# KiCad board CRMHJN_capable_carrier.kicad_pcb
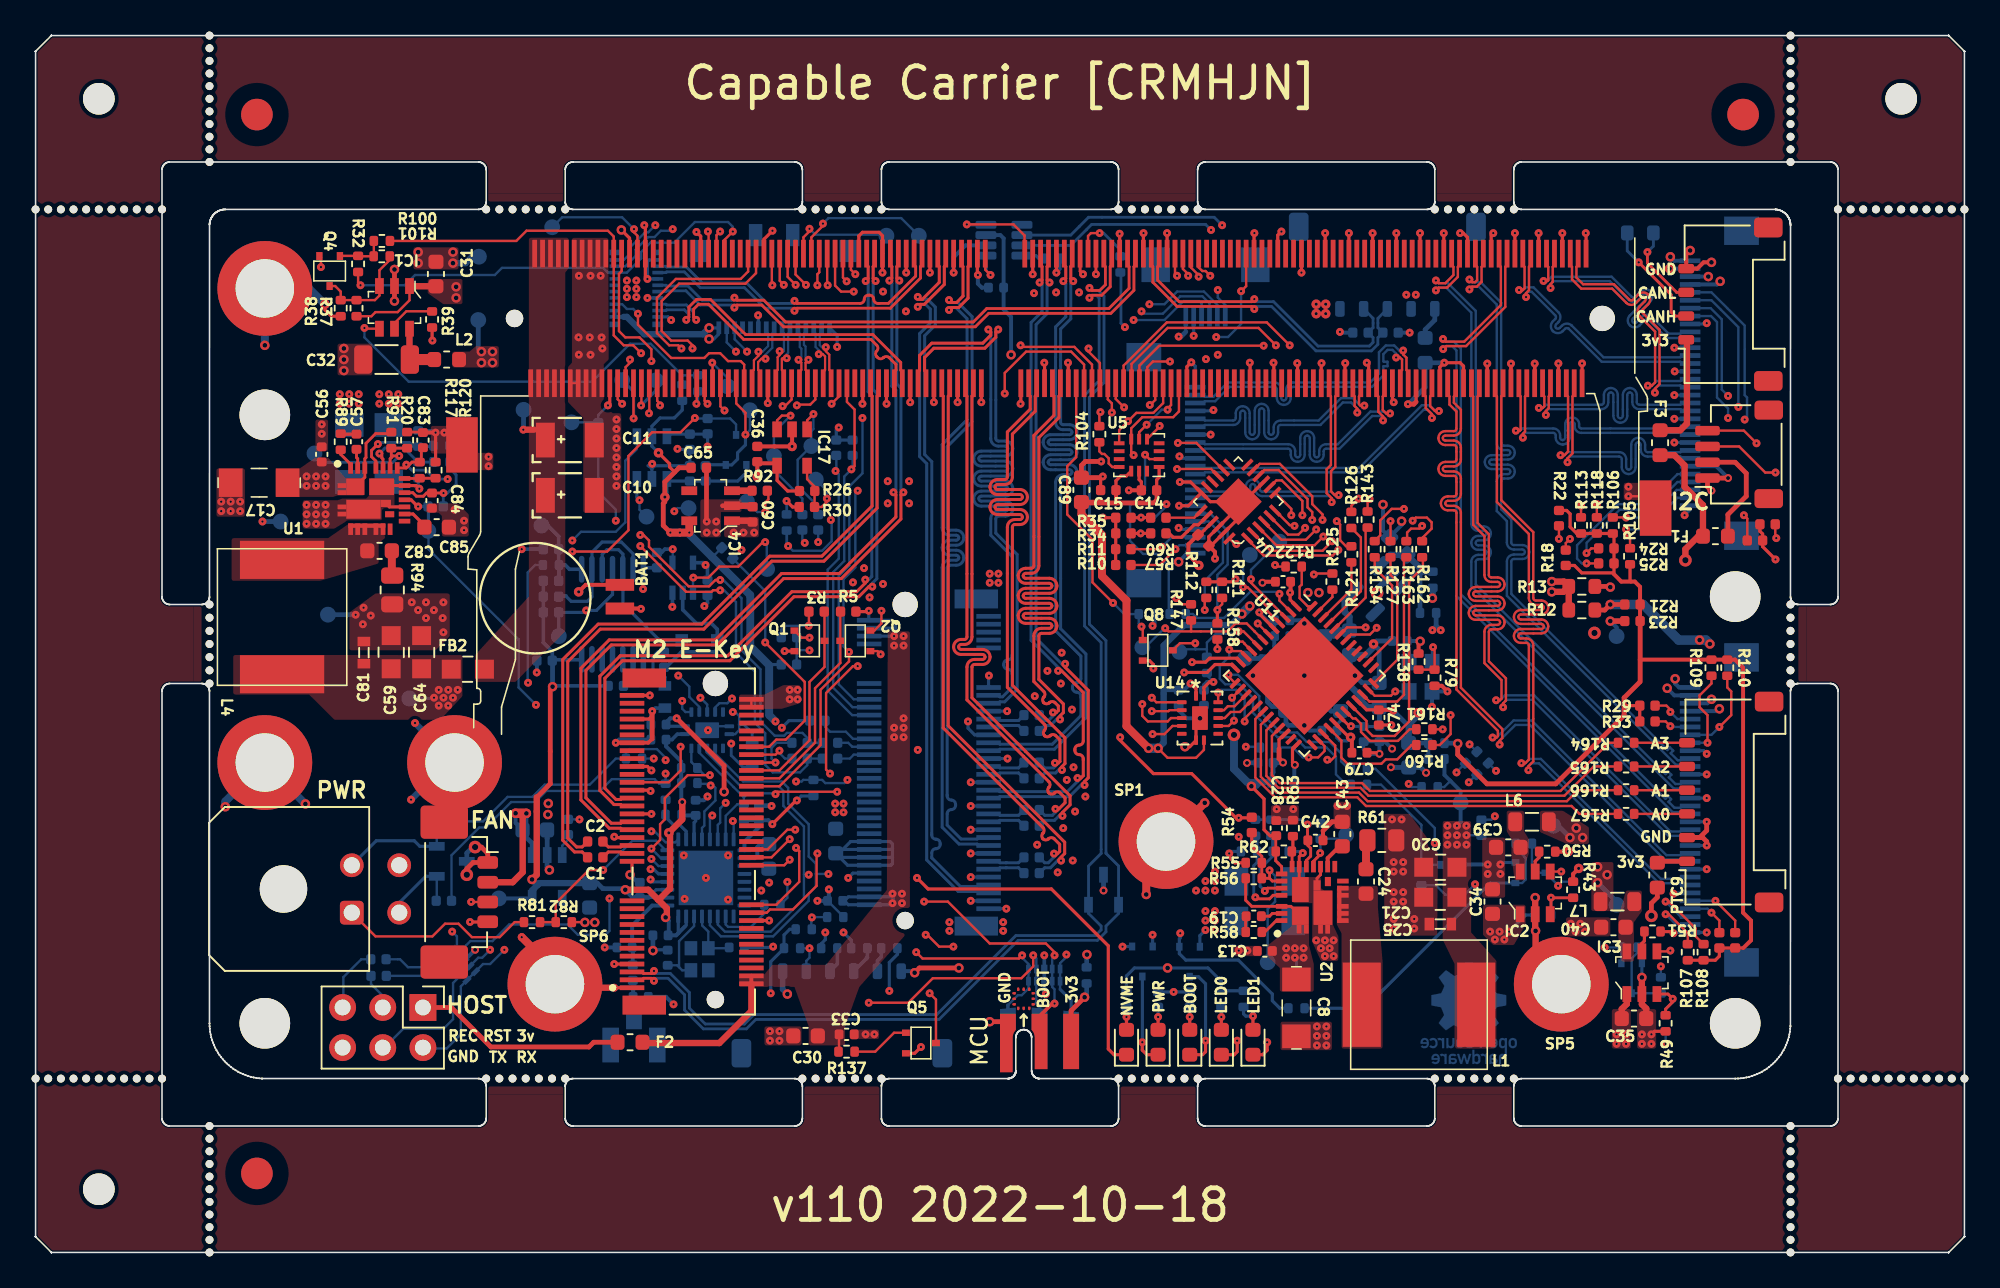
[diagram p0: board, top side]
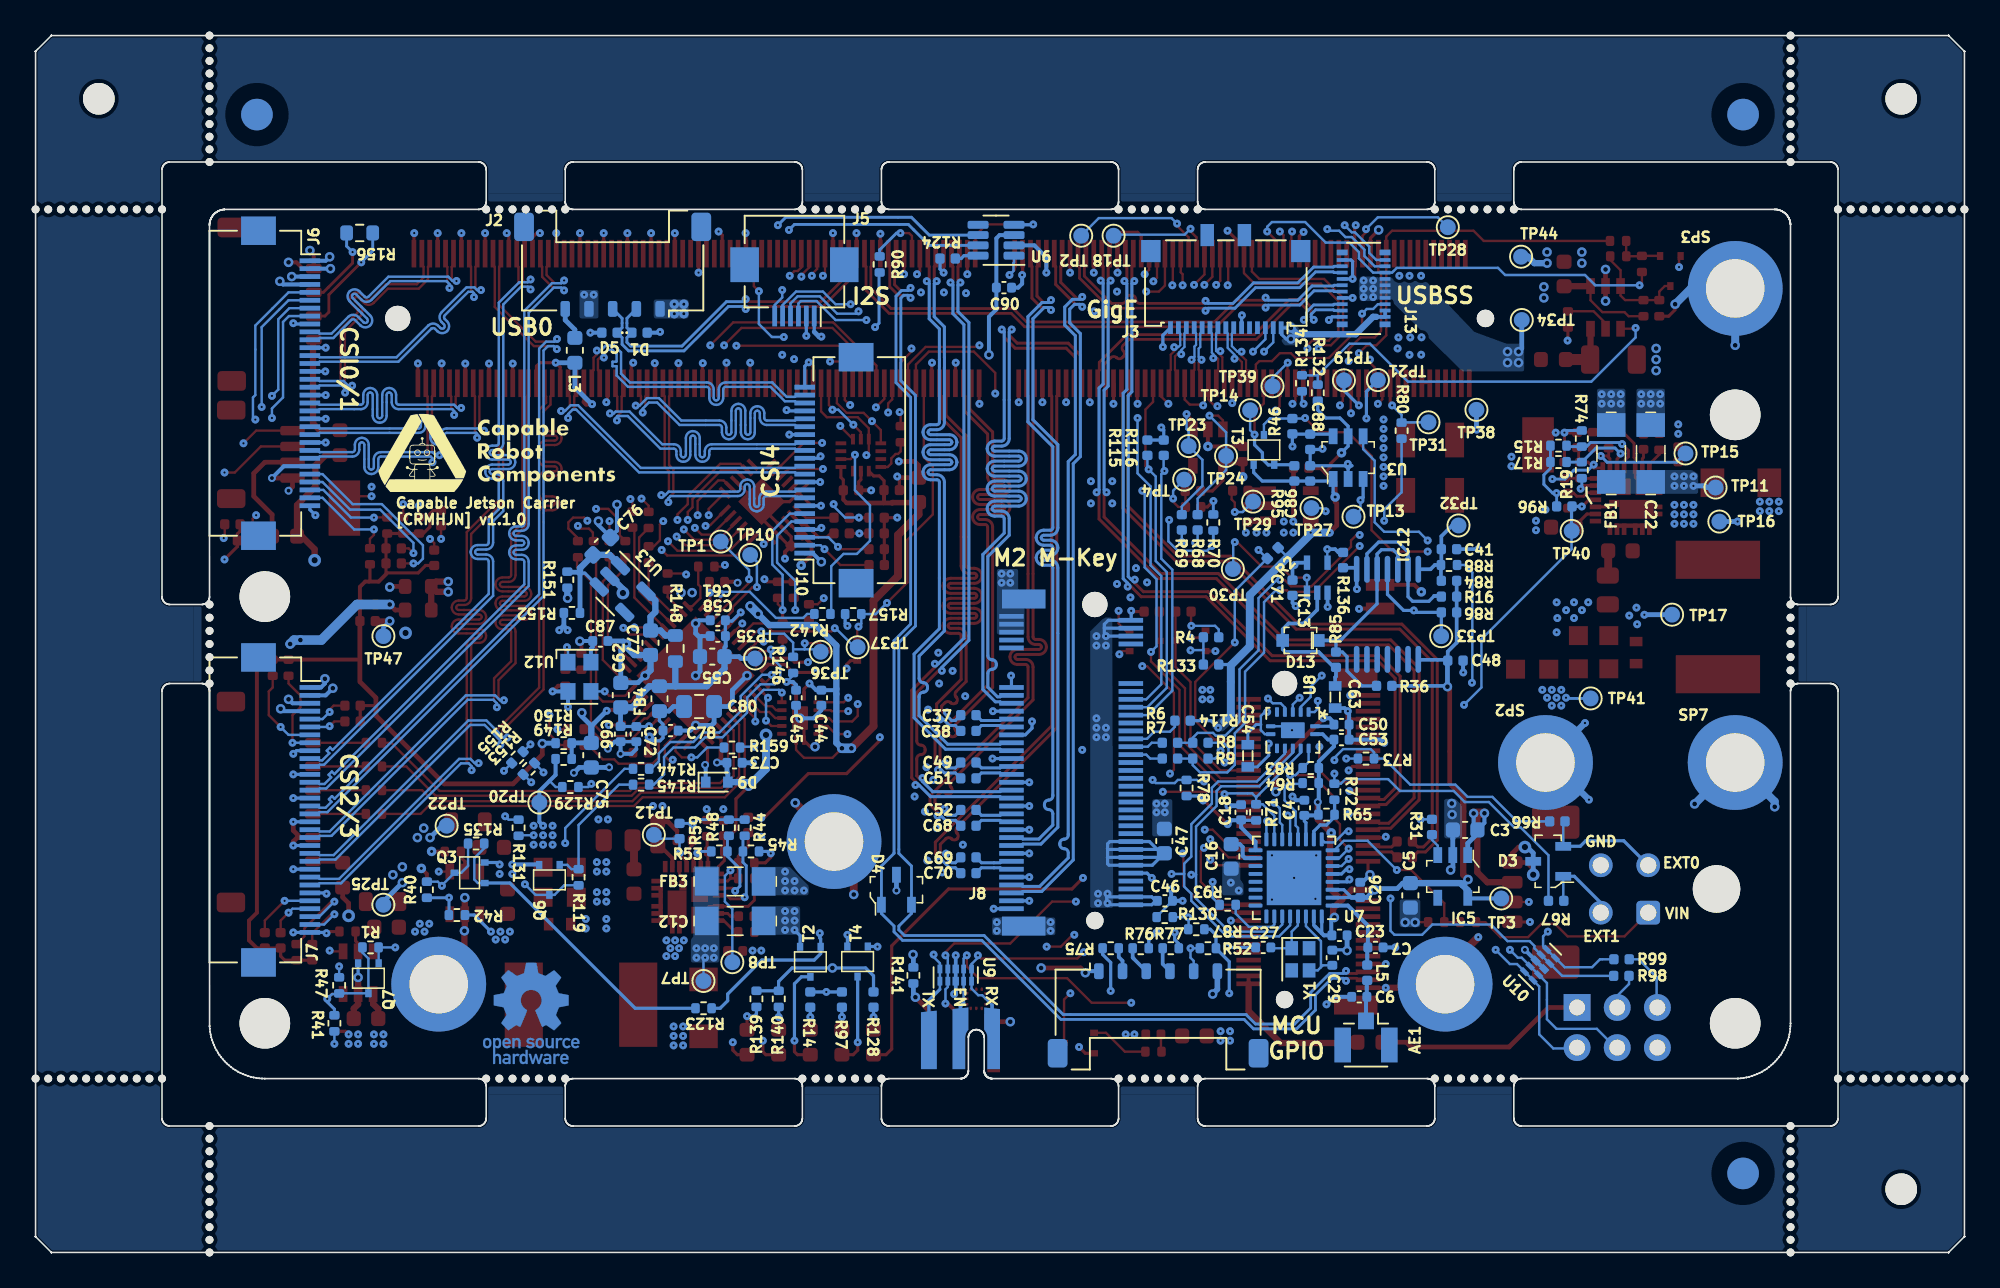
[diagram p1: board, bottom side, seen from below]

Outline 122 x 77 mm; copper layers: Top, In1.Cu, In2.Cu, In3.Cu, In4.Cu, Bottom. Coordinates in mm from the lower left corner of the outline.
Stack: Top 0.035mm / dielectric 0.127mm FR4 er 4.5 / In1.Cu 0.035mm / dielectric 0.372mm FR4 er 4.5 / In2.Cu 0.035mm / dielectric 0.372mm FR4 er 4.5 / In3.Cu 0.035mm / dielectric 0.372mm FR4 er 4.5 / In4.Cu 0.035mm / dielectric 0.127mm FR4 er 4.5 / Bottom 0.035mm

## Placement (name value [footprint] x y rotation side)
AE1  DNP  [U.FL_Hirose_U.FL-R-SMT-1_Vertical]  37.85 13.6 270 bottom
BAT1  -  [MS621FE-FL11E]  36.96 41.49 90 top
BOOT1  LED  [LED_0603_1608Metric]  73 13.3 90 top
C1  C_100n_0402  [0402-cap]  35.4 25 0 top
C2  C_100n_0402  [0402-cap]  35.4 26 0 top
C3  C_4u7_0603  [C_0603_1608Metric]  31.58 26.73 0 bottom
C4  C_100n_0402  [C_0402_1005Metric]  41.75 28.13 270 bottom
C5  C_4u7_0603  [C_0603_1608Metric]  35.04 22.59 270 bottom
C6  DNP  [C_0402_1005Metric]  38.27 16.17 0 bottom
C7  DNP  [C_0402_1005Metric]  37.25 19.3 180 bottom
C8  C_10u_1206_50V  [1206-cap]  79.75 15.47 270 top
C9  C_100n_0402  [0402-cap]  73.86 45.06 315 top
C10  C_330u_KEMET_B  [KEMET_B]  32.24 47.91 0 top
C11  C_330u_KEMET_B  [KEMET_B]  32.24 51.41 0 top
C12  C_10u_1206_50V  [1206-cap]  77.75 20.97 180 bottom
C13  C_100n_0402_50V  [C_0402_1005Metric]  77.75 19.08 180 top
C14  C_100n_0402  [0402-cap]  70.42 48.23 0 top
C15  C_100n_0402  [0402-cap]  67.85 48.23 0 top
C16  C_1u_0603  [C_0603_1608Metric]  46.38 25.06 270 bottom
C17  C_10u_1206_50V  [1206-cap]  14.14 48.71 180 top
C18  C_100n_0402  [C_0402_1005Metric]  45.75 27.85 270 bottom
C19  C_100n_0402  [C_0402_1005Metric]  77.05 21.28 180 top
C20  C_47u_0805  [0805-cap]  88.85 24.38 180 top
C21  C_47u_0805  [0805-cap]  88.85 22.47 180 top
C22  C_10u_1206_50V  [1206-cap]  19.84 50.56 90 bottom
C23  C_100n_0402  [C_0402_1005Metric]  39.53 20.06 0 bottom
C24  DNP  [C_0603_1608Metric]  84.15 23.47 270 top
C25  C_10u_0603  [0603-cap]  88.85 20.78 180 top
C26  C_100n_0402  [C_0402_1005Metric]  38.22 22.94 270 bottom
C27  C_16p_0402  [C_0402_1005Metric]  44.35 19.3 0 bottom
C28  C_100n_0402  [C_0402_1005Metric]  78.47 26.85 270 top
C29  C_16p_0402  [C_0402_1005Metric]  39.98 18.65 90 bottom
C30  C_10u_0603  [C_0603_1608Metric]  48.7 13.7 0 top
C31  C_10u_0603  [C_0603_1608Metric]  25.32 61.91 90 top
C32  C_100u_1206  [C_1206_3216Metric]  22.2 56.5 0 top
C33  C_100n_0402  [C_0402_1005Metric]  51.3 13.8 180 top
C34  C_10u_0603  [C_0603_1608Metric]  92.15 22.2 90 top
C35  C_10u_0603  [C_0603_1608Metric]  101.1 14.8 0 top
C36  C_100n_0402  [0402-cap]  45.65 50.52 270 top
C37  C_100n_0402  [0402-cap]  63 34 0 bottom
C38  C_100n_0402  [0402-cap]  63 33 0 bottom
C39  C_10u_0603  [C_0603_1608Metric]  93.15 25.63 180 top
C40  C_10u_0603  [C_0603_1608Metric]  99.8 20.58 180 top
C41  C_47n_0402  [0402-cap]  32.6 44.5 0 bottom
C42  C_1u_0402  [C_0402_1005Metric]  80.95 26.08 0 top
C43  C_4u7_0603  [C_0603_1608Metric]  82.65 26.47 90 top
C44  C_100n_0402  [C_0402_1005Metric]  72.3 35.1 90 bottom
C45  C_100n_0402  [C_0402_1005Metric]  73.9 35.1 90 bottom
C46  C_100n_0402  [C_0402_1005Metric]  50.57 22.25 0 bottom
C47  C_10u_0603  [C_0603_1608Metric]  50.61 26.03 270 bottom
C48  C_100n_0402  [0402-cap]  32.2 37.45 0 bottom
C49  C_100n_0402  [0402-cap]  63 31 0 bottom
C50  C_100n_0402  [C_0402_1005Metric]  39.4 33.4 0 bottom
C51  C_100n_0402  [0402-cap]  63 30 0 bottom
C52  C_100n_0402  [0402-cap]  63 28 0 bottom
C53  C_100n_0402  [C_0402_1005Metric]  39.4 32.45 0 bottom
C54  C_10u_0603  [0603-cap]  45.33 31.42 90 bottom
C55  C_1u_0603  [C_0603_1608Metric]  79.2 37.7 180 bottom
C56  C_100n_0402_50V  [C_0402_1005Metric]  18.1 50.5 90 top
C57  C_100n_0402  [C_0402_1005Metric]  20.3 51.3 90 top
C58  C_100n_0402  [C_0402_1005Metric]  78.85 39 180 bottom
C59  C_47u_0805  [0805-cap]  22.49 37.98 90 top
C60  C_2u2_0402  [0402-cap]  45.35 46.7 90 top
C61  C_10n_0402  [C_0402_1005Metric]  78.85 40 180 bottom
C62  C_1u_0603  [C_0603_1608Metric]  84.98 35.27 270 bottom
C63  C_10u_0603  [0603-cap]  39.8 35.14 90 bottom
C64  C_47u_0805  [0805-cap]  24.42 37.98 90 top
C65  C_1u_0402  [0402-cap]  41.95 49.65 0 top
C66  C_100n_0402  [C_0402_1005Metric]  85 32.8 90 bottom
C67  C_100n_0402  [C_0402_1005Metric]  78.9 42.44 0 top
C68  C_100n_0402  [0402-cap]  63 27 0 bottom
C69  C_100n_0402  [0402-cap]  63 25 0 bottom
C70  C_100n_0402  [0402-cap]  63 24 0 bottom
C71  C_100n_0402  [0402-cap]  42.5 42.06 90 bottom
C72  C_10n_0402  [C_0402_1005Metric]  84 32.8 90 bottom
C73  C_100n_0402  [C_0402_1005Metric]  77.79 30.98 180 bottom
C74  C_100n_0402  [C_0402_1005Metric]  84.95 33.85 90 top
C75  C_1u_0603  [C_0603_1608Metric]  86.85 31.47 90 bottom
C76  C_4u7_0603  [C_0603_1608Metric]  86.18 44.69 315 bottom
C77  C_4u7_0603  [C_0603_1608Metric]  83.1 38.58 90 bottom
C78  C_100n_0402  [C_0402_1005Metric]  81.83 33.02 0 bottom
C79  C_100n_0402  [C_0402_1005Metric]  83.73 31.62 180 top
C80  C_10u_0805  [C_0805_2012Metric]  80.03 34.55 0 bottom
C81  C_10u_0603  [0603-cap]  20.77 37.96 90 top
C82  DNP  [C_0603_1608Metric]  21.76 44.39 180 top
C83  C_100n_0402  [C_0402_1005Metric]  24.5 51.4 270 top
C84  C_1u_0402  [C_0402_1005Metric]  25.08 47.58 270 top
C85  C_4u7_0603  [C_0603_1608Metric]  25.37 45.89 0 top
C86  C_100n_0402  [0402-cap]  41.38 49.29 270 bottom
C87  C_100n_0402  [C_0402_1005Metric]  86.28 38.69 0 bottom
C88  C_100n_0402  [0402-cap]  41.38 51.29 90 bottom
C89  C_1u_0603  [C_0603_1608Metric]  66.15 48.25 270 top
C90  C_100n_0402  [C_0402_1005Metric]  60.75 61.05 0 bottom
D1  D_TVS  [D_0402_1005Metric]  83.8 58.2 180 bottom
D3  PESD2USB5UV-TR  [SOT-23s]  26.33 24.75 0 bottom
D4  PESD2USB5UV-TR  [SOT-23s]  67.55 22.95 90 bottom
D5  D_TVS  [D_0402_1005Metric]  85.7 58.2 0 bottom
D6  LED  [LED_0603_1608Metric]  75 13.3 90 top
D7  LED  [LED_0603_1608Metric]  77 13.3 90 top
D9  D_Schottky  [D_SOD-523]  78.92 29.76 180 bottom
D13  1N4148WS  [SOD-323]  41.99 38.72 0 bottom
F1  Polyfuse_Small  [Fuse_0603_1608Metric]  106.25 45.33 180 top
F2  Polyfuse_Small  [Fuse_0603_1608Metric]  37.6 13.3 0 top
F3  Polyfuse_Small  [Fuse_0603_1608Metric]  102.75 51.24 270 top
FB1  74279221100  [1206-res]  22.34 50.56 270 bottom
FB2  742792022  [0805-res]  27.34 36.91 0 top
FB3  74279221100  [1206-res]  77.75 23.47 0 bottom
FB4  600R  [L_0603_1608Metric]  82.54 35.04 270 bottom
H1  MountingHole  [MountingHole_3.2mm_M3_ISO14580]  14.5 14.5 0 top
H2  MountingHole  [MountingHole_3.2mm_M3_ISO14580]  107.5 41.5 0 top
H3  MountingHole  [MountingHole_3.2mm_M3_ISO14580]  14.5 53 0 top
H4  MountingHole  [MountingHole_3.2mm_M3_ISO14580]  107.5 14.5 0 top
IC1  AP22652W6-7  [SOT-23-6]  22.7 59.8 180 top
IC2  AP22652W6-7  [SOT-23-6]  94.85 22.75 0 top
IC3  AP22652W6-7  [SOT-23-6]  101.6 17.7 0 top
IC4  TPS7A0518PDBVT  [SOT-23-5]  42.7 47.25 90 top
IC5  3v3 LDO  [SOT-23-5]  32.36 23.79 0 bottom
IC12  74HC00PW  [TSSOP-14]  36.49 40.38 270 bottom
IC13  SN74LVC1G126DCKR  [R-PDSO-G5]  40.93 42.7 90 bottom
IC17  AT24CS01-ST  [SOT23-5]  47.85 50.93 270 top
J1  Conn_02x03_Odd_Even  [PinHeader_2x03_P2.54mm_Vertical]  24.5 15.5 270 top
J2  Conn_01x05_Female  [Molex_Pico-Lock_504050-0591_1x05-1MP_P1.50mm_Horizontal]  85.5 62.5 0 bottom
J3  Conn_01x15_Female  [Molex_502244-1530_1x15-1MP_P0.5mm_Horizontal]  46.72 61.59 0 bottom
J4  Bus_M.2_Socket_E  [TE_2199119-4]  43 26 90 top
J5  Conn_01x06_Female  [Hirose_FH12-6S-0.5SH_1x06-1MP_P0.50mm_Horizontal]  74 61.1 0 bottom
J6  Conn_01x32_Female  [Hirose_FH12-32S-0.5SH_1x32-1MP_P0.50mm_Horizontal]  106.5 55 270 bottom
J7  Conn_01x32_Female  [Hirose_FH12-32S-0.5SH_1x32-1MP_P0.50mm_Horizontal]  106.5 28 270 bottom
J8  ~  [MDT580M01001]  56.5 31 0 bottom
J9  Conn_01x04_Female  [Molex_Micro-Fit_3.0_43045-0400_2x02_P3.00mm_Horizontal]  20 21.5 90 top
J10  Conn_01x22_Female  [Hirose_FH12-22S-0.5SH_1x22-1MP_P0.50mm_Horizontal]  71.5 49.5 90 bottom
J11  Conn_01x06_Female  [Molex_Pico-Lock_504050-0691_1x06-1MP_P1.50mm_Horizontal]  51 15 180 bottom
J12  533980471  [Molex_PicoBlade_53398-0471_1x04-1MP_P1.25mm_Vertical]  27.35 22.8 270 top
J13  Conn_02x10_Odd_Even  [DF40C-20DP-0.4V51]  38 61 90 bottom
J14  Conn_01x06_Female  [Molex_Pico-Lock_504050-0691_1x06-1MP_P1.50mm_Horizontal]  107.25 28.5 90 top
J15  Conn_01x04_Female  [JST_SH_SM04B-SRSS-TB_1x04-1MP_P1.00mm_Horizontal]  107.75 50.5 90 top
J16  Conn_01x04_Female  [Molex_Pico-Lock_504050-0491_1x04-1MP_P1.50mm_Horizontal]  107.2 60 90 top
J18  DebugEdge_02x03  [DebugEdge_2x03_Target]  63.5 11 0 top
L1  IHLP3232DZER3R3M01  [IHLP3232DZ]  87.5 15.67 0 top
L2  BLM18SG121TN1D  [L_0603_1608Metric]  26 56.5 0 top
L3  BLM18SG121TN1D  [L_0603_1608Metric]  87.89 57.08 90 bottom
L4  IHLP3232DZER3R3M01  [IHLP3232DZ]  15.59 40.21 270 top
L5  DNP  [L_0402_1005Metric]  37.77 17.7 90 bottom
L6  BLM21PG121SN1D  [L_0805_2012Metric]  94.65 27.25 0 top
L7  BLM21PG121SN1D  [L_0805_2012Metric]  100.05 22.2 180 top
M1  ~  [jetson-nano-connector]  96.49 17.1 0 top
M2  ~  [jetson-nano-module]  96.48 16.97 0 top
N1  E Key 2230  [M2outline-2230]  41.5 26 0 top
N2  oshw_logo  [oshw-logo]  90.65 15.12 180 bottom
N3  crc_logo  [CRC_logo_15mm]  92.95 50.6 180 bottom
N4  M Key 2242  [M2outline-2242]  56.5 31 180 bottom
N5  M Key 2230  [M2outline-2230]  56.5 31 180 bottom
NVME1  LED  [LED_0603_1608Metric]  69 13.3 90 top
PTC9  50mA  [Fuse_0603_1608Metric]  102.58 23.88 90 top
PWR1  LED  [LED_0603_1608Metric]  71 13.3 90 top
Q1  BSS138APW  [SC70-3]  48.95 38.7 0 top
Q2  BSS138APW  [SC70-3]  51.85 38.7 180 top
Q3  BSS138APW  [SC70-3]  94.55 24.03 0 bottom
Q4  BSS138APW  [SC70-3]  18.6 62.1 270 top
Q5  BSS138APW  [SC70-3]  56 13.25 0 top
Q6  BSS138APW  [SC70-3]  89.5 23.58 270 bottom
Q7  BSS138APW  [SC70-3]  100.95 17.35 270 bottom
Q8  BSS138APW  [SC70-3]  70.98 38.1 0 top
R1  R_0R_0402  [R_0402_1005Metric]  100.81 19.31 180 bottom
R2  R_10k_0402  [0402-res]  43.75 44.25 315 bottom
R3  R_10k_0402  [0402-res]  49.4 40.55 180 top
R4  DNP  [0402-res]  47.65 38.92 0 bottom
R5  R_10k_0402  [0402-res]  51.4 40.55 0 top
R6  DNP  [0402-res]  50.25 32.25 0 bottom
R7  DNP  [0402-res]  50.25 31.25 0 bottom
R8  DNP  [0402-res]  48.33 32.25 0 bottom
R9  DNP  [0402-res]  48.33 31.25 0 bottom
R10  R_2k_0402  [0402-res]  68.8 43.5 0 top
R11  R_2k_0402  [0402-res]  68.8 44.5 0 top
R12  R_0R_0603  [R_0603_1608Metric]  97.8 40.65 0 top
R13  R_DNP_0603  [R_0603_1608Metric]  97.8 42.14 0 top
R14  R_470R_0402  [0402-res]  73 16 90 bottom
R15  DNP  [R_0402_1005Metric]  25.67 51.05 180 bottom
R16  R_1k_0402  [0402-res]  32.6 41.5 0 bottom
R17  R_100k_0402  [R_0402_1005Metric]  25.67 50.02 180 bottom
R18  R_2k_0402  [0402-res]  96.78 43.95 90 top
R19  DNP  [R_0402_1005Metric]  24.2 49.5 270 bottom
R20  DNP  [R_0402_1005Metric]  23.5 51.4 270 top
R21  R_0R_0402  [0402-res]  101 41 180 top
R22  R_2k_0402  [0402-res]  96.36 46.47 270 top
R23  DNP  [0402-res]  101 39.95 180 top
R24  R_2k_0402  [0402-res]  99.35 44.55 180 top
R25  R_2k_0402  [0402-res]  99.35 43.6 180 top
R26  R_10k_0402  [0402-res]  48.8 48.18 0 top
R27  R_2k_0402  [0402-res]  106.5 19.75 90 top
R28  R_2k_0402  [0402-res]  107.5 19.75 90 top
R29  R_2k_0402  [0402-res]  101.95 34.6 0 top
R30  DNP  [0402-res]  48.78 47.17 0 top
R31  R_10k_0402  [0402-res]  33.68 26.92 90 bottom
R32  R_0R_0402  [R_0402_1005Metric]  20.4 62.55 270 top
R33  R_2k_0402  [0402-res]  101.95 33.6 0 top
R34  R_2k_0402  [0402-res]  68.81 45.5 0 top
R35  R_2k_0402  [0402-res]  68.81 46.49 0 top
R36  R_1k_0402  [0402-res]  36.7 35.85 0 bottom
R37  R_10k_0402  [R_0402_1005Metric]  20.3 59.75 270 top
R38  DNP  [R_0402_1005Metric]  19.3 59.75 90 top
R39  R_12k4_0402  [R_0402_1005Metric]  25.08 59.03 90 top
R40  R_0R_0402  [R_0402_1005Metric]  97.25 22.95 270 bottom
R41  R_0R_0402  [R_0402_1005Metric]  103.1 14.5 90 bottom
R42  R_10k_0402  [R_0402_1005Metric]  95.35 21.35 180 bottom
R43  R_10k_0402  [R_0402_1005Metric]  97.25 22.95 270 top
R44  DNP  [R_0402_1005Metric]  77.15 26.88 270 bottom
R45  R_510k_0402  [R_0402_1005Metric]  76.75 25.38 180 bottom
R46  R_10k_0402  [0402-res]  42.51 52.28 270 bottom
R47  R_10k_0402  [R_0402_1005Metric]  102.8 16.9 90 bottom
R48  R_100k_0402  [R_0402_1005Metric]  78.15 26.88 270 bottom
R49  R_10k_0402  [R_0402_1005Metric]  103.1 14.5 90 top
R50  R_12k4_0402  [R_0402_1005Metric]  95.61 25.36 180 top
R51  R_12k4_0402  [R_0402_1005Metric]  102.27 20.31 180 top
R52  R_10k_0402  [R_0402_1005Metric]  47.85 19.25 0 bottom
R53  DNP  [R_0402_1005Metric]  78.75 25.38 0 bottom
R54  R_10k_0402  [0402-res]  76.92 27.05 90 top
R55  DNP  [R_0402_1005Metric]  77.05 24.66 0 top
R56  R_100k_0402  [R_0402_1005Metric]  77.05 23.67 0 top
R57  R_0R_0402  [0402-res]  71.02 45.5 180 top
R58  R_3R3_0402  [R_0402_1005Metric]  77.05 20.28 0 top
R59  R_100k_0402  [0402-res]  81.27 26.67 270 bottom
R60  R_0R_0402  [0402-res]  71.02 46.49 180 top
R61  DNP  [R_0805_2012Metric]  85.15 26.08 0 top
R62  R_45k3_0402  [R_0402_1005Metric]  78.95 25.38 0 top
R63  R_10k_0402  [R_0402_1005Metric]  79.53 26.85 90 top
R64  R_2k_0402  [R_0402_1005Metric]  41.35 29.7 180 bottom
R65  R_2k_0402  [R_0402_1005Metric]  40.35 27.7 0 bottom
R66  R_0R_0402  [0402-res]  25.75 27.28 180 bottom
R67  R_0R_0402  [0402-res]  25.83 22.25 180 bottom
R68  R_0R_0402  [0402-res]  48.5 46.2 90 bottom
R69  R_0R_0402  [0402-res]  49.5 46.2 90 bottom
R70  R_10k_0402  [R_0402_1005Metric]  47.51 46.19 90 bottom
R71  R_10k_0402  [R_0402_1005Metric]  44.8 27.85 270 bottom
R72  DNP  [R_0402_1005Metric]  39.85 29.15 90 bottom
R73  DNP  [R_0402_1005Metric]  37.85 31.25 180 bottom
R74  R_510k_0402  [R_0402_1005Metric]  24.2 51.5 90 bottom
R75  R_2k_0402  [R_0402_1005Metric]  54 19.25 180 bottom
R76  R_2k_0402  [R_0402_1005Metric]  52.1 19.25 0 bottom
R77  R_2k_0402  [R_0402_1005Metric]  50.2 19.25 0 bottom
R78  R_100k_0402  [R_0402_1005Metric]  49.2 29.39 90 bottom
R79  R_DNP_0402  [R_0402_1005Metric]  88.48 36.37 270 top
R80  R_0R_0402  [R_0402_1005Metric]  35.6 52 90 bottom
R81  TBD  [R_0402_1005Metric]  31.4 20.9 0 top
R82  R_10k_0402  [R_0402_1005Metric]  33.41 20.9 180 top
R83  R_10k_0402  [R_0402_1005Metric]  41.34 30.66 180 bottom
R84  R_200k_0402  [0402-res]  32.6 42.5 180 bottom
R85  R_470k_0402  [0402-res]  39.75 37.51 270 bottom
R86  R_200k_0402  [0402-res]  32.6 40.5 180 bottom
R87  DNP  [R_0402_1005Metric]  48.59 20.45 180 bottom
R88  R_0R_0402  [R_0402_1005Metric]  32.6 43.5 180 bottom
R89  R_3R3_0402  [R_0402_1005Metric]  19.3 51.3 270 top
R90  R_100k_0402  [R_0402_1005Metric]  68.61 62.52 270 bottom
R91  R_100k_0402  [R_0402_1005Metric]  22.5 51.4 270 top
R92  R_0R_0402  [0402-res]  45.8 48.2 0 top
R93  R_0R_0402  [R_0402_1005Metric]  46.6 22 180 bottom
R94  DNP  [R_0805_2012Metric]  22.56 41.92 270 top
R95  R_10k_0402  [0402-res]  42.38 49.29 90 bottom
R96  R_100k_0402  [0402-res]  25.31 47.21 180 bottom
R97  R_470R_0402  [0402-res]  71 16 90 bottom
R98  R_470R_0402  [0402-res]  21.7 17.5 0 bottom
R99  R_470R_0402  [0402-res]  21.69 18.55 0 bottom
R100  R_0R_0402  [R_0402_1005Metric]  21.91 64 0 top
R101  R_0R_0402  [R_0402_1005Metric]  21.9 63.03 180 top
R102  R_2k_0402  [0402-res]  108.75 45.05 180 top
R103  R_2k_0402  [0402-res]  109.55 46.08 0 top
R104  R_1k_0402  [R_0402_1005Metric]  67.28 51.77 90 top
R105  R_10k_0402  [R_0402_1005Metric]  100.85 44.05 90 top
R106  R_10k_0402  [R_0402_1005Metric]  99.76 46 90 top
R107  R_10k_0402  [R_0402_1005Metric]  104.5 19 90 top
R108  R_10k_0402  [R_0402_1005Metric]  105.5 19 90 top
R109  R_10k_0402  [R_0402_1005Metric]  106 37 270 top
R110  R_10k_0402  [R_0402_1005Metric]  107 37 270 top
R111  R_10k_0402  [R_0402_1005Metric]  75.05 41.92 270 top
R112  R_10k_0402  [R_0402_1005Metric]  74.05 41.92 270 top
R113  R_10k_0402  [R_0402_1005Metric]  97.75 46.01 90 top
R114  R_10k_0402  [0402-res]  49.45 33.65 180 bottom
R115  R_10k_0402  [0402-res]  51.68 50.92 90 bottom
R116  R_10k_0402  [0402-res]  50.64 50.92 90 bottom
R117  R_75k_0402  [R_0402_1005Metric]  24.3 49.5 270 top
R118  R_10k_0402  [R_0402_1005Metric]  98.75 46.01 90 top
R119  R_0R_0402  [R_0402_1005Metric]  87.66 23.75 90 bottom
R120  R_10k2_0402  [R_0402_1005Metric]  25.3 49.5 90 top
R121  R_1k_0402  [R_0402_1005Metric]  83.22 44.17 90 top
R122  R_1k_0402  [R_0402_1005Metric]  79.58 43.4 180 top
R123  R_0R_0402  [R_0402_1005Metric]  79.75 15.45 180 bottom
R124  R_10k_0402  [0402-res]  64.31 62.89 180 bottom
R125  R_1k_0402  [R_0402_1005Metric]  82.03 42.45 90 top
R126  R_1k_0402  [R_0402_1005Metric]  83.22 46.35 90 top
R127  R_1k_0402  [R_0402_1005Metric]  85.7 44.5 270 top
R128  R_470R_0402  [0402-res]  69 16 90 bottom
R129  R_10k_0402  [R_0402_1005Metric]  88.17 29.45 180 bottom
R130  R_10k_0402  [R_0402_1005Metric]  50.58 21.22 0 bottom
R131  R_10k_0402  [R_0402_1005Metric]  91.45 26.88 90 bottom
R132  R_10k_0402  [R_0402_1005Metric]  40.9 54.4 90 bottom
R133  R_10k_0402  [0402-res]  47.65 37.2 0 bottom
R134  R_0R_0402  [R_0402_1005Metric]  41.9 55 270 bottom
R135  R_0R_0402  [R_0402_1005Metric]  94.14 25.88 180 bottom
R136  R_200k_0402  [0402-res]  39.3 43.81 90 bottom
R137  R_10k_0402  [R_0402_1005Metric]  51.3 12.7 0 top
R138  R_10k_0402  [R_0402_1005Metric]  87.47 37.38 270 top
R139  R_1k_0402  [R_0402_1005Metric]  76.41 16.05 270 bottom
R140  R_1k_0402  [R_0402_1005Metric]  75 16.05 270 bottom
R141  R_0R_0402  [R_0402_1005Metric]  66.48 17.53 90 bottom
R142  R_1k_0402  [R_0402_1005Metric]  72.23 40.4 180 bottom
R143  R_1k_0402  [R_0402_1005Metric]  84.25 46.38 90 top
R144  R_0R_0402  [R_0402_1005Metric]  83.7 30.6 180 bottom
R145  R_0R_0402  [R_0402_1005Metric]  83.7 29.6 180 bottom
R146  R_10k_0402  [R_0402_1005Metric]  74.08 37.17 90 bottom
R147  R_10k_0402  [R_0402_1005Metric]  73.08 40.51 270 top
R148  R_0R_0603  [R_0603_1608Metric]  81.53 38.21 90 bottom
R149  R_DNP_0402  [R_0402_1005Metric]  88.6 31.23 180 bottom
R150  R_0R_0402  [R_0402_1005Metric]  88.6 32.23 180 bottom
R151  R_0R_0402  [R_0402_1005Metric]  88.37 42.57 90 bottom
R152  R_DNP_0402  [R_0402_1005Metric]  88.08 40.47 180 bottom
R153  R_1k_0402  [R_0402_1005Metric]  90.8 30.6 135 bottom
R154  R_1k_0402  [R_0402_1005Metric]  84.7 44.5 270 top
R155  R_1k_0402  [R_0402_1005Metric]  91.53 31.33 135 bottom
R156  R_120R_0603  [R_0603_1608Metric]  101.5 64.51 180 bottom
R157  R_10k_0402  [R_0402_1005Metric]  70.28 40.4 180 bottom
R158  R_1k_0402  [R_0402_1005Metric]  74.75 39.3 270 top
R159  R_1k_0402  [R_0402_1005Metric]  77.95 31.95 0 bottom
R160  R_1k_0402  [R_0402_1005Metric]  87.84 32.11 180 top
R161  R_1k_0402  [R_0402_1005Metric]  87.84 33.11 180 top
R162  R_1k_0402  [R_0402_1005Metric]  87.7 44.5 270 top
R163  R_1k_0402  [R_0402_1005Metric]  86.7 44.5 270 top
R164  R_1k_0402  [R_0402_1005Metric]  100.6 32.25 180 top
R165  R_1k_0402  [R_0402_1005Metric]  100.6 30.75 180 top
R166  R_1k_0402  [R_0402_1005Metric]  100.6 29.25 180 top
R167  R_1k_0402  [R_0402_1005Metric]  100.6 27.75 180 top
REF**  -  [NPTH]  49.33 66 0 top
REF**#2  -  [NPTH]  89.33 11 0 top
REF**#3  -  [NPTH]  111 69 0 top
REF**#4  -  [NPTH]  29.33 11 0 top
REF**#5  -  [NPTH]  111 0 0 top
REF**#6  -  [NPTH]  111 3.2 0 top
REF**#7  -  [NPTH]  111 1.6 0 top
REF**#8  -  [NPTH]  93.5 11 0 top
REF**#9  -  [NPTH]  122 11 0 top
REF**#10  -  [NPTH]  111 74.6 0 top
REF**#11  -  [NPTH]  7.2 11 0 top
REF**#12  -  [NPTH]  1.6 11 0 top
REF**#13  -  [NPTH]  73.5 11 0 top
REF**#14  -  [NPTH]  120.4 11 0 top
REF**#15  -  [NPTH]  69.33 66 0 top
REF**#16  -  [NPTH]  118 11 0 top
REF**#17  -  [NPTH]  29.33 66 0 top
REF**#18  -  [NPTH]  30.17 66 0 top
REF**#19  -  [NPTH]  51.83 66 0 top
REF**#20  -  [NPTH]  114 66 0 top
REF**#21  -  [NPTH]  11 36.83 0 top
REF**#22  -  [NPTH]  11 69.8 0 top
REF**#23  -  [NPTH]  90.17 66 0 top
REF**#24  -  [NPTH]  11 2.4 0 top
REF**#25  -  [NPTH]  52.67 11 0 top
REF**#26  -  [NPTH]  11 70.6 0 top
REF**#27  -  [NPTH]  50.17 11 0 top
REF**#28  -  [NPTH]  0 66 0 top
REF**#29  -  [NPTH]  111 7.2 0 top
REF**#30  -  [NPTH]  0 11 0 top
REF**#31  -  [NPTH]  31.83 11 0 top
REF**#32  -  [NPTH]  11 3.2 0 top
REF**#33  -  [NPTH]  32.67 11 0 top
REF**#34  -  [NPTH]  120.4 66 0 top
REF**#35  -  [NPTH]  3.2 11 0 top
REF**#36  -  [NPTH]  11 1.6 0 top
REF**#37  -  [NPTH]  91 66 0 top
REF**#38  -  [NPTH]  91.83 66 0 top
REF**#39  -  [NPTH]  114.8 11 0 top
REF**#40  -  [NPTH]  0.8 11 0 top